# Altium PCB SONDE_2.PcbDoc (part 9 of 10) (continued)
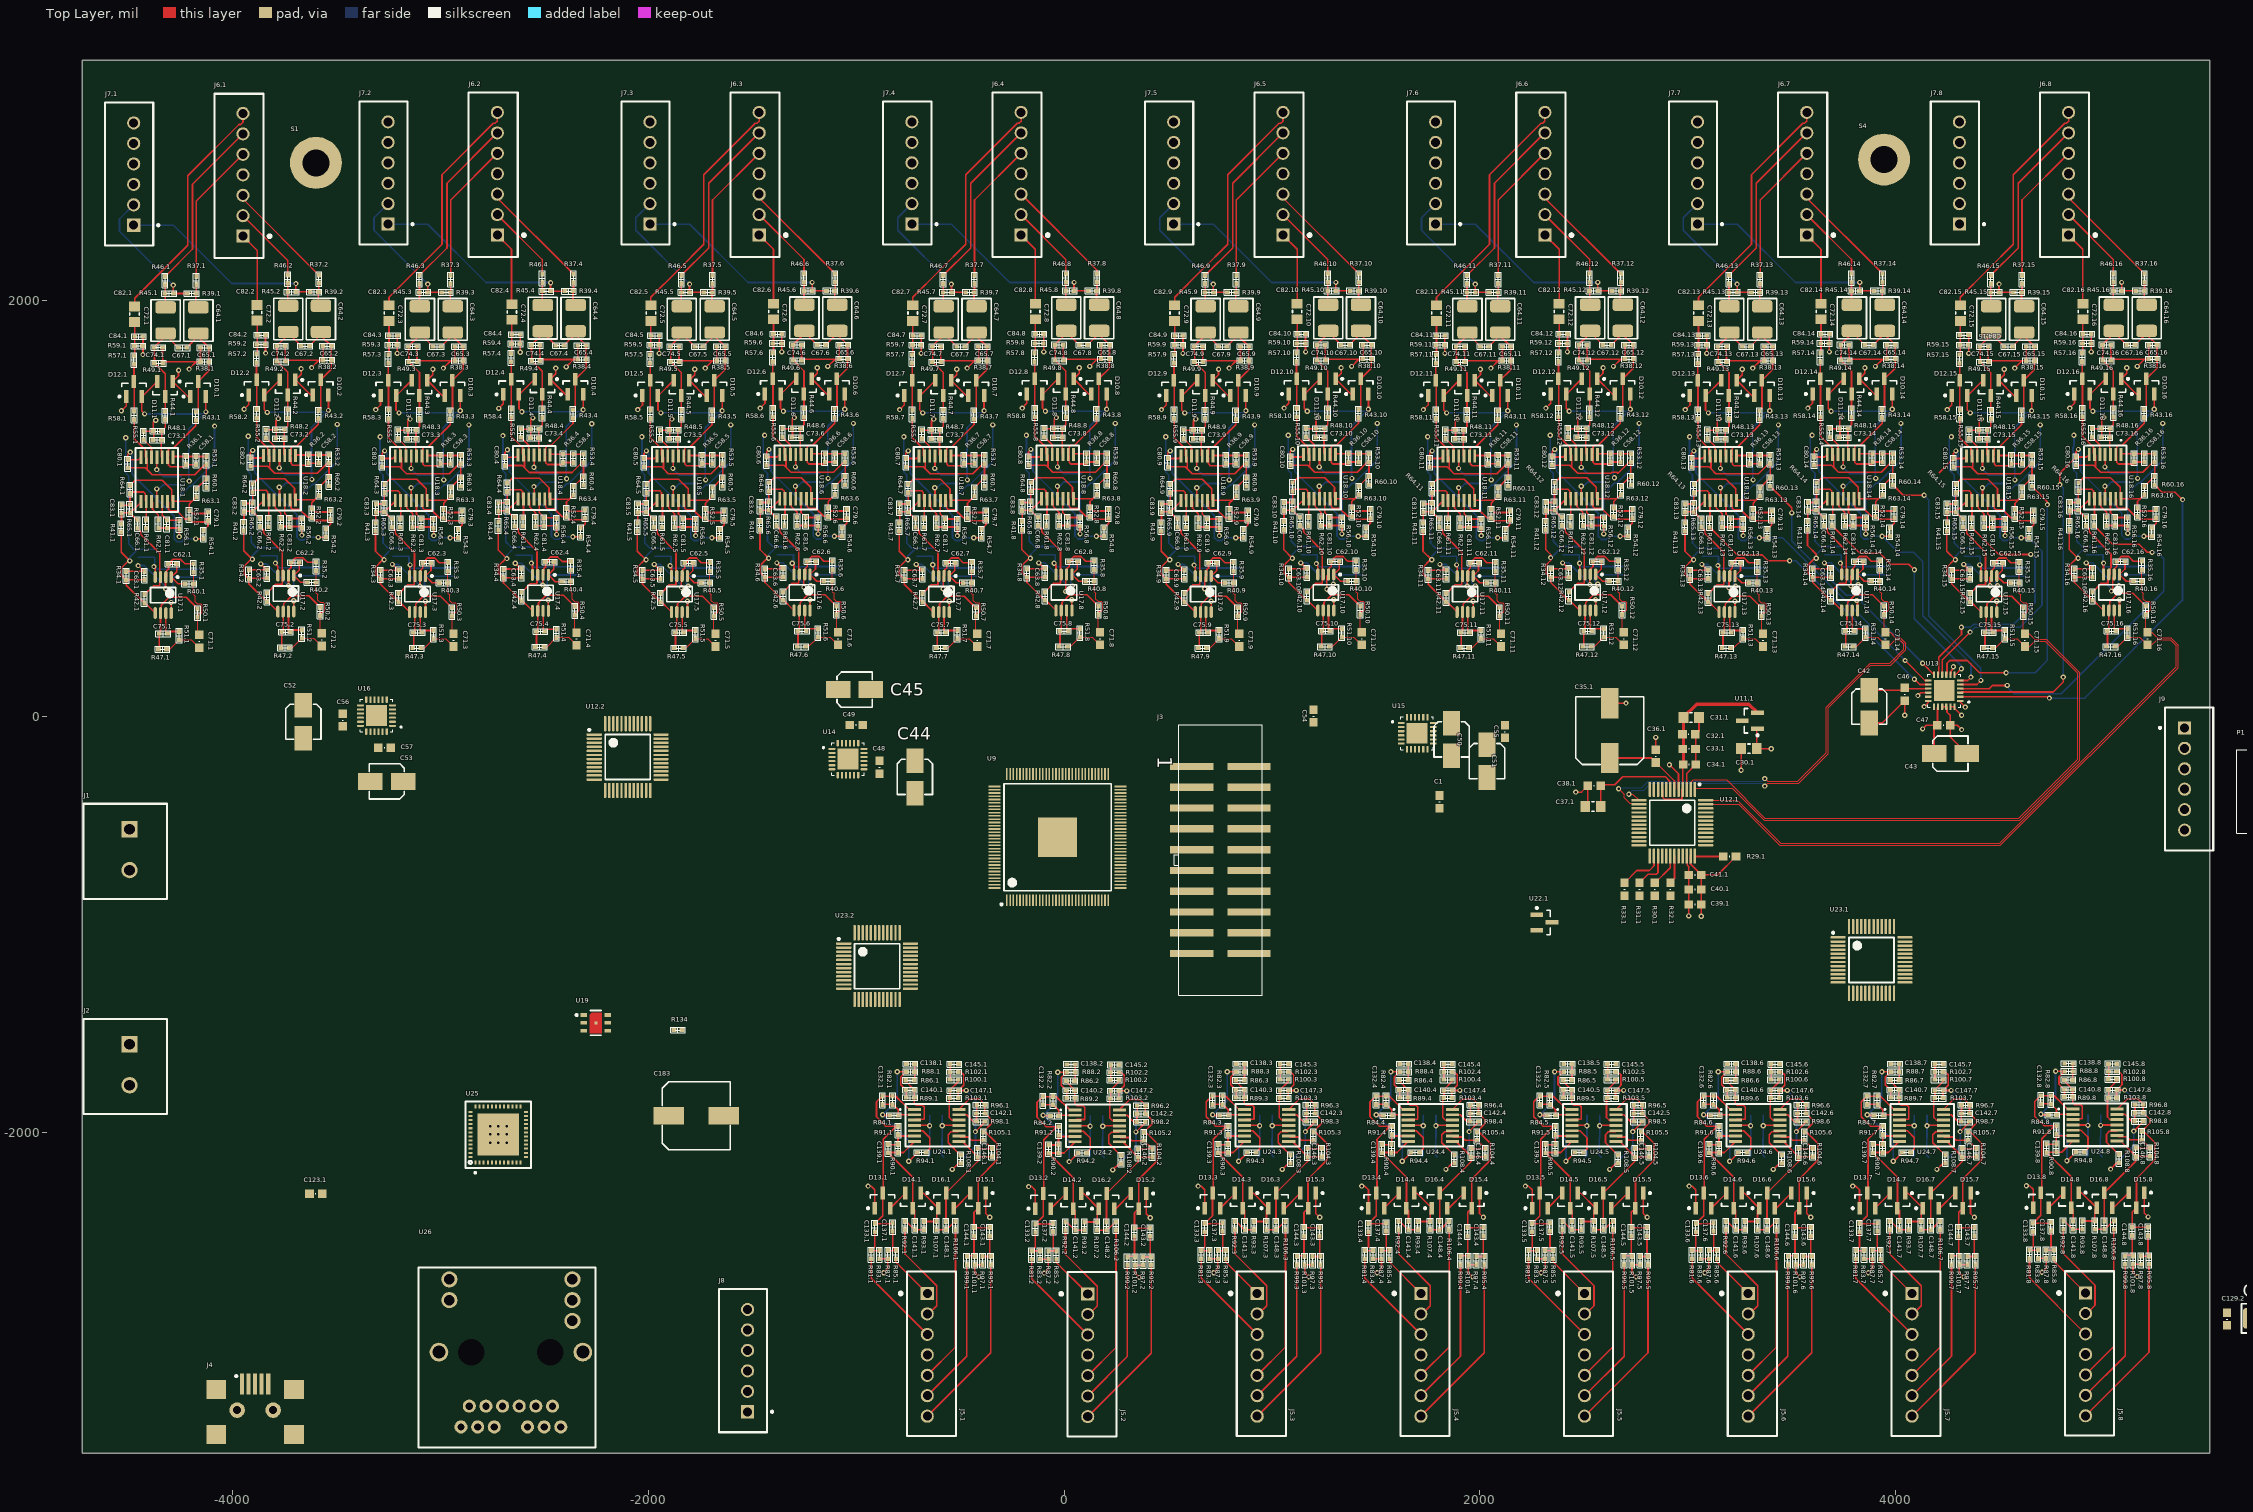
[diagram p0: Top Layer view]
## Nets (pads, with @x,y where several pads share a name; then routed paths per layer and width w, separated by ;. In a path a pad name is that pad's centre, name@x,y a point inside that pad or via, vN(x,y) a via of type N, cw(c..) or ccw(c..) an arc to the next point about the centre after c; other vN are vias at no path point) (continued)
NetD12.1_3: D12.1.3 R57.1.1 R58.1.2 | length 227.5
  Top Layer w8: R57.1.1@-4474.84,1696.35 D12.1.3@-4474.84,1612.45 -4473.78,1611.39 R58.1.2@-4473.78,1469.3
NetD12.2_3: D12.2.3 R57.2.1 R58.2.2 | length 227.5
  Top Layer w8: R57.2.1@-3885.17,1703.83 D12.2.3@-3885.17,1619.93 -3884.11,1618.86 R58.2.2@-3884.11,1476.78
NetD12.3_3: D12.3.3 R57.3.1 R58.3.2 | length 227.5
  Top Layer w8: R57.3.1@-3251.26,1701.49 D12.3.3@-3251.26,1617.59 -3250.2,1616.53 R58.3.2@-3250.2,1474.44
NetD12.4_3: D12.4.3 R57.4.1 R58.4.2 | length 227.5
  Top Layer w8: R57.4.1@-2660.23,1707.08 D12.4.3@-2660.23,1623.18 -2659.17,1622.12 R58.4.2@-2659.17,1480.03
NetD12.5_3: D12.5.3 R57.5.1 R58.5.2 | length 227.5
  Top Layer w8: R57.5.1@-1991.42,1701.49 D12.5.3@-1991.42,1617.59 -1990.35,1616.53 R58.5.2@-1990.35,1474.44
NetD12.6_3: D12.6.3 R57.6.1 R58.6.2 | length 227.5
  Top Layer w8: R57.6.1@-1401.75,1708.96 D12.6.3@-1401.75,1625.07 -1400.68,1624 R58.6.2@-1400.68,1481.92
NetD12.7_3: D12.7.3 R57.7.1 R58.7.2 | length 227.5
  Top Layer w8: R57.7.1@-731.57,1701.49 D12.7.3@-731.57,1617.59 -730.51,1616.53 R58.7.2@-730.51,1474.44
NetD12.8_3: D12.8.3 R57.8.1 R58.8.2 | length 227.5
  Top Layer w8: R57.8.1@-141.9,1708.96 D12.8.3@-141.9,1625.07 -140.84,1624 R58.8.2@-140.84,1481.92
NetD12.9_3: D12.9.3 R57.9.1 R58.9.2 | length 227.5
  Top Layer w8: R57.9.1@528.27,1701.49 D12.9.3@528.27,1617.59 529.33,1616.53 R58.9.2@529.33,1474.44
NetD12.10_3: D12.10.3 R57.10.1 R58.10.2 | length 227.5
  Top Layer w8: R57.10.1@1117.94,1708.96 D12.10.3@1117.94,1625.07 1119,1624 R58.10.2@1119,1481.92
NetD12.11_3: D12.11.3 R57.11.1 R58.11.2 | length 227.5
  Top Layer w8: R57.11.1@1788.11,1701.49 D12.11.3@1788.11,1617.59 1789.17,1616.53 R58.11.2@1789.17,1474.44
NetD12.12_3: D12.12.3 R57.12.1 R58.12.2 | length 227.5
  Top Layer w8: R57.12.1@2377.78,1708.96 D12.12.3@2377.78,1625.07 2378.85,1624 R58.12.2@2378.85,1481.92
NetD12.13_3: D12.13.3 R57.13.1 R58.13.2 | length 227.5
  Top Layer w8: R57.13.1@3047.95,1701.49 D12.13.3@3047.95,1617.59 3049.02,1616.53 R58.13.2@3049.02,1474.44
NetD12.14_3: D12.14.3 R57.14.1 R58.14.2 | length 227.5
  Top Layer w8: R57.14.1@3637.62,1708.96 D12.14.3@3637.62,1625.07 3638.69,1624 R58.14.2@3638.69,1481.92
NetD12.15_3: D12.15.3 R57.15.1 R58.15.2 | length 227.5
  Top Layer w8: R57.15.1@4307.8,1701.49 D12.15.3@4307.8,1617.59 4308.86,1616.53 R58.15.2@4308.86,1474.44
NetD12.16_3: D12.16.3 R57.16.1 R58.16.2 | length 227.5
  Top Layer w8: R57.16.1@4897.47,1708.96 D12.16.3@4897.47,1625.07 4898.53,1624 R58.16.2@4898.53,1481.92
NetD19_A: D19.A D20.A R135.1
NetD19_K: D19.K D20.K Q2.D
NetD21_A: D21.A D22.A R136.1
NetD21_K: D21.K D22.K Q3.D
NetD23_A: D23.A D24.A R137.1
NetD23_K: D23.K D24.K Q4.D
NetJ2_2: J2.2 R4.1
NetJ4_1: J4.1 L3.2
NetJ4_4: J4.4 R28.1
NetJ6.1_2: J6.1.2 R46.2.1 | length 373.8
  Top Layer w8: J6.1.2@-3950.41,2409.57 -3735.17,2194.33 R46.2.1@-3735.17,2124.88
NetJ6.1_3: J6.1.3 R37.2.1 | length 534.4
  Top Layer w8: J6.1.3@-3950.41,2508 -3950.41,2490.12 R37.2.1@-3585.17,2124.88
NetJ6.1_5: J6.1.5 R37.1.1 | length 680.4
  Top Layer w8: R37.1.1@-4174.84,2117.4 -4174.84,2480.41 J6.1.5@-3950.41,2704.85
NetJ6.1_6: J6.1.6 R46.1.1 | length 841
  Top Layer w8: R46.1.1@-4324.84,2117.4 -4192.84,2249.4 -4192.84,2560.84 J6.1.6@-3950.41,2803.27
NetJ6.2_2: J6.2.2 R46.4.1 | length 373.8
  Top Layer w8: J6.2.2@-2726.83,2414.71 -2511.59,2199.47 ; R46.4.1@-2510.23,2128.13 -2510.23,2197.59
NetJ6.2_3: J6.2.3 R37.4.1 | length 534.4
  Top Layer w8: J6.2.3@-2726.83,2513.13 -2726.83,2495.26 R37.4.1@-2361.59,2130.02
NetJ6.2_5: J6.2.5 R37.3.1 | length 680.4
  Top Layer w8: R37.3.1@-2951.26,2122.54 -2951.26,2485.55 J6.2.5@-2726.83,2709.99
NetJ6.2_6: J6.2.6 R46.3.1 | length 841
  Top Layer w8: R46.3.1@-3101.26,2122.54 -2969.26,2254.54 -2969.26,2565.98 J6.2.6@-2726.83,2808.41
NetJ6.3_2: J6.3.2 R46.6.1 | length 373.8
  Top Layer w8: J6.3.2@-1466.98,2414.71 -1251.75,2199.47 R46.6.1@-1251.75,2130.02
NetJ6.3_3: J6.3.3 R37.6.1 | length 534.4
  Top Layer w8: J6.3.3@-1466.98,2513.13 -1466.98,2495.26 R37.6.1@-1101.75,2130.02
NetJ6.3_5: J6.3.5 R37.5.1 | length 680.4
  Top Layer w8: R37.5.1@-1691.42,2122.54 -1691.42,2485.55 J6.3.5@-1466.98,2709.99
NetJ6.3_6: J6.3.6 R46.5.1 | length 841
  Top Layer w8: R46.5.1@-1841.42,2122.54 -1709.42,2254.54 -1709.42,2565.98 J6.3.6@-1466.98,2808.41
NetJ6.4_2: J6.4.2 R46.8.1 | length 373.8
  Top Layer w8: J6.4.2@-207.14,2414.71 8.1,2199.47 R46.8.1@8.1,2130.02
NetJ6.4_3: J6.4.3 R37.8.1 | length 552.3
  Top Layer w8: J6.4.3@-207.14,2495.26 J6.4.3@-207.14,2513.13 158.1,2147.9 R37.8.1@158.1,2130.02
NetJ6.4_5: J6.4.5 R37.7.1 | length 680.4
  Top Layer w8: R37.7.1@-431.57,2122.54 -431.57,2485.55 J6.4.5@-207.14,2709.99
NetJ6.4_6: J6.4.6 R46.7.1 | length 841
  Top Layer w8: R46.7.1@-581.57,2122.54 -449.57,2254.54 -449.57,2565.98 J6.4.6@-207.14,2808.41
NetJ6.5_2: J6.5.2 R46.10.1 | length 373.8
  Top Layer w8: J6.5.2@1052.7,2414.71 1267.94,2199.47 R46.10.1@1267.94,2130.02
NetJ6.5_3: J6.5.3 R37.10.1 | length 534.4
  Top Layer w8: J6.5.3@1052.7,2513.13 1052.7,2495.26 R37.10.1@1417.94,2130.02
NetJ6.5_5: J6.5.5 R37.9.1 | length 680.4
  Top Layer w8: R37.9.1@828.27,2122.54 828.27,2485.55 J6.5.5@1052.7,2709.99
NetJ6.5_6: J6.5.6 R46.9.1 | length 841
  Top Layer w8: R46.9.1@678.27,2122.54 810.27,2254.54 810.27,2565.98 J6.5.6@1052.7,2808.41
NetJ6.6_2: J6.6.2 R46.12.1 | length 373.8
  Top Layer w8: J6.6.2@2312.54,2414.71 2527.78,2199.47 R46.12.1@2527.78,2130.02
NetJ6.6_3: J6.6.3 R37.12.1 | length 534.4
  Top Layer w8: J6.6.3@2312.54,2513.13 2312.54,2495.26 R37.12.1@2677.78,2130.02
NetJ6.6_5: J6.6.5 R37.11.1 | length 680.4
  Top Layer w8: R37.11.1@2088.11,2122.54 2088.11,2485.55 J6.6.5@2312.54,2709.99
NetJ6.6_6: J6.6.6 R46.11.1 | length 841
  Top Layer w8: R46.11.1@1938.11,2122.54 2070.11,2254.54 2070.11,2565.98 J6.6.6@2312.54,2808.41
NetJ6.7_2: J6.7.2 R46.14.1 | length 373.8
  Top Layer w8: J6.7.2@3572.39,2414.71 3787.62,2199.47 R46.14.1@3787.62,2130.02
NetJ6.7_3: J6.7.3 R37.14.1 | length 534.4
  Top Layer w8: J6.7.3@3572.39,2513.13 3572.39,2495.26 R37.14.1@3937.62,2130.02
NetJ6.7_5: J6.7.5 R37.13.1 | length 680.4
  Top Layer w8: R37.13.1@3347.95,2122.54 3347.95,2485.55 J6.7.5@3572.39,2709.99
NetJ6.7_6: J6.7.6 R46.13.1 | length 841
  Top Layer w8: R46.13.1@3197.95,2122.54 3329.95,2254.54 3329.95,2565.98 J6.7.6@3572.39,2808.41
NetJ6.8_2: J6.8.2 R46.16.1 | length 373.8
  Top Layer w8: J6.8.2@4832.23,2414.71 5047.47,2199.47 R46.16.1@5047.47,2130.02
NetJ6.8_3: J6.8.3 R37.16.1 | length 534.4
  Top Layer w8: J6.8.3@4832.23,2513.13 4832.23,2495.26 R37.16.1@5197.47,2130.02
NetJ6.8_5: J6.8.5 R37.15.1 | length 680.4
  Top Layer w8: R37.15.1@4607.8,2122.54 4607.8,2485.55 J6.8.5@4832.23,2709.99
NetJ6.8_6: J6.8.6 R46.15.1 | length 841
  Top Layer w8: R46.15.1@4457.8,2122.54 4589.8,2254.54 4589.8,2565.98 J6.8.6@4832.23,2808.41
NetL4_1: L4.1 U19.3
NetP1_5: P1.5
NetQ1_G: Q1.G U25.43
NetQ2_G: Q2.G R138.2
NetQ3_G: Q3.G R139.2
NetQ4_G: Q4.G R140.2
NetR1_1: R1.1 R3.1 U1.7 U2.3
NetR1_2: R1.2 U9.125
NetR2_1: R2.1 R3.2 U1.3
NetR5_1: R5.1 U3.7
NetR7_2: R7.2 R9.1 U3.5
NetR11_1: R11.1 R14.1 U8.2
NetR12_2: R12.2 R16.1 U8.13
NetR15_1: R15.1 U8.1
NetR17_2: R17.2 U8.14
NetR19_1: R19.1 U9.93
NetR23_2: R23.2 U9.64
NetR24_2: R24.2 U9.66
NetR25_2: R25.2 U9.10
NetR26_2: R26.2 U9.12
NetR27_2: R27.2 U9.48
NetR28_2: R28.2 U9.43
NetR29.1_2: R29.1.2 R29.2.2 TP10.1 TP10.2 U9.96 U12.1.36 U12.2.36 | length 137.6
  Top Layer w8: U12.1.36@3034.22,-670.83 3036.13,-672.73 R29.1.2@3171.05,-672.73
NetR30.1_1: R30.1.1 U12.1.30 | length 161
  Top Layer w8: R30.1.1@2841.26,-800 2842.62,-800 2916.11,-726.5 U12.1.30@2916.11,-670.83
NetR30.2_1: R30.2.1 U12.2.30
NetR31.1_1: R31.1.1 U12.1.27 | length 203.1
  Top Layer w8: R31.1.1@2780,-800 R31.1.1@2767.22,-800 2808.22,-759 2849,-759 2857.06,-750.94 U12.1.27@2857.06,-670.83
NetR31.2_1: R31.2.1 U12.2.27
NetR32.1_1: R32.1.1 U12.1.31 | length 137.3
  Top Layer w8: R32.1.1@2916.11,-800 2935.8,-780.31 U12.1.31@2935.8,-670.83
NetR32.2_1: R32.2.1 U12.2.31
NetR33.1_1: R33.1.1 U12.1.26 | length 223.3
  Top Layer w8: R33.1.1@2695.24,-800 2755.24,-740 2815.43,-740 2837.37,-718.06 U12.1.26@2837.37,-670.83
NetR33.2_1: R33.2.1 U12.2.26
NetR55.1_2: R55.1.2 U18.1.5 | length 101
  Top Layer w8: R55.1.2@-4428.55,1333.09 -4390.14,1294.68 U18.1.5@-4390.14,1247.96
NetR55.2_2: R55.2.2 U18.2.5 | length 101
  Top Layer w8: R55.2.2@-3838.88,1340.57 -3800.47,1302.16 U18.2.5@-3800.47,1255.43
NetR55.3_2: R55.3.2 U18.3.5 | length 101
  Top Layer w8: R55.3.2@-3204.97,1338.23 -3166.56,1299.82 U18.3.5@-3166.56,1253.09
NetR55.4_2: R55.4.2 U18.4.5 | length 101
  Top Layer w8: R55.4.2@-2613.94,1343.82 -2575.53,1305.41 U18.4.5@-2575.53,1258.68
NetR55.5_2: R55.5.2 U18.5.5 | length 101
  Top Layer w8: R55.5.2@-1945.13,1338.23 -1906.72,1299.82 U18.5.5@-1906.72,1253.09
NetR55.6_2: R55.6.2 U18.6.5 | length 101
  Top Layer w8: R55.6.2@-1355.46,1345.71 -1317.05,1307.3 U18.6.5@-1317.05,1260.57
NetR55.7_2: R55.7.2 U18.7.5 | length 101
  Top Layer w8: R55.7.2@-685.29,1338.23 -646.88,1299.82 U18.7.5@-646.88,1253.09
NetR55.8_2: R55.8.2 U18.8.5 | length 101
  Top Layer w8: R55.8.2@-95.62,1345.71 -57.21,1307.3 U18.8.5@-57.21,1260.57
NetR55.9_2: R55.9.2 U18.9.5 | length 101
  Top Layer w8: R55.9.2@574.56,1338.23 612.96,1299.82 U18.9.5@612.96,1253.09
NetR55.10_2: R55.10.2 U18.10.5 | length 101
  Top Layer w8: R55.10.2@1164.23,1345.71 1202.64,1307.3 U18.10.5@1202.64,1260.57
NetR55.11_2: R55.11.2 U18.11.5 | length 101
  Top Layer w8: R55.11.2@1834.4,1338.23 1872.81,1299.82 U18.11.5@1872.81,1253.09
NetR55.12_2: R55.12.2 U18.12.5 | length 101
  Top Layer w8: R55.12.2@2424.07,1345.71 2462.48,1307.3 U18.12.5@2462.48,1260.57
NetR55.13_2: R55.13.2 U18.13.5 | length 101
  Top Layer w8: R55.13.2@3094.24,1338.23 3132.65,1299.82 U18.13.5@3132.65,1253.09
NetR55.14_2: R55.14.2 U18.14.5 | length 101
  Top Layer w8: R55.14.2@3683.91,1345.71 3722.32,1307.3 U18.14.5@3722.32,1260.57
NetR55.15_2: R55.15.2 U18.15.5 | length 101
  Top Layer w8: R55.15.2@4354.08,1338.23 4392.49,1299.82 U18.15.5@4392.49,1253.09
NetR55.16_2: R55.16.2 U18.16.5 | length 101
  Top Layer w8: R55.16.2@4943.75,1345.71 4982.16,1307.3 U18.16.5@4982.16,1260.57
NetR60.1_1: R60.1.1 U16.12
NetR60.2_1: R60.2.1 U16.5
NetR60.3_1: R60.3.1 U16.9
NetR60.4_1: R60.4.1 U16.2
NetR60.5_1: R60.5.1 U14.12
NetR60.6_1: R60.6.1 U14.5
NetR60.7_1: R60.7.1 U14.9
NetR60.8_1: R60.8.1 U14.2
NetR60.9_1: R60.9.1 U15.12
NetR60.10_1: R60.10.1 U15.5
NetR60.11_1: R60.11.1 U15.9
NetR60.12_1: R60.12.1 U15.2
NetR60.13_1: R60.13.1 U13.12 | length 1270
  Top Layer w8: R60.13.1@3396.24,1108.17 3500,1004.41 v1(3500,980) ; v1(4129.84,256.68) U13.12@4184.58,201.94
  Bottom Layer w8: v1(3500,980) 3500,844.88 3761.54,583.33 3825.14,583.33 3837.44,571.03 3837.44,549.08 v1(4129.84,256.68)
NetR60.14_1: R60.14.1 U13.5 | length 1283.9
  Top Layer w8: R60.14.1@3985.91,1115.65 4036.81,1064.75 v1(4136.79,1064.75) ; U13.5@4310.76,154.5 4391.65,154.5 4410,172.85 v1(4410,174.18)
  Bottom Layer w8: v1(4136.79,1064.75) 4160,1041.54 4160,482.19 4410,232.19 v1(4410,174.18)
NetR60.15_1: R60.15.1 U13.9 | length 1465.8
  Top Layer w8: U13.9@4247.2,201.94 U13.9@4243.64,201.94 4247.2,205.5 4247.2,257.2 4260,270 4345.08,270 4403.75,211.33 v1(4530.91,211.33) ; R60.15.1@4656.08,1108.17 4730,1034.25 v1(4730,1020)
  Bottom Layer w8: v1(4530.91,211.33) 4671.33,211.33 4730,270 v1(4730,1020)
NetR60.16_1: R60.16.1 U13.2 | length 1919.3
  Top Layer w8: U13.2@4310.76,95.44 4734.56,95.44 4740,90 v1(4740,89) ; R60.16.1@5245.75,1115.65 5281.4,1080 5343.79,1080 v1(5380,1043.79)
  Bottom Layer w8: v1(4740,89) 4911.13,89 4912.13,90 4911.06,91.06 5379.1,559.1 5380,558.2 v1(5380,1043.79)
NetR61.1_2: R61.1.2 U16.14
NetR61.2_2: R61.2.2 U16.7
NetR61.3_2: R61.3.2 U16.11
NetR61.4_2: R61.4.2 U16.4
NetR61.5_2: R61.5.2 U14.14
NetR61.6_2: R61.6.2 U14.7
NetR61.7_2: R61.7.2 U14.11
NetR61.8_2: R61.8.2 U14.4
NetR61.9_2: R61.9.2 U15.14
NetR61.10_2: R61.10.2 U15.7
NetR61.11_2: R61.11.2 U15.11
NetR61.12_2: R61.12.2 U15.4
NetR61.13_2: R61.13.2 U13.14 | length 1365.2
  Top Layer w8: R61.13.2@3105.24,911.17 3238.71,777.7 3357.95,777.7 3385.65,750 v1(3490,750) ; v1@4089.76,180 v1(4090,180) 4115.5,154.5 U13.14@4156.83,154.5
  Bottom Layer w8: v1(3490,750) 3520,750 v1(4090,180)
NetR61.14_2: R61.14.2 U13.7 | length 1098
  Top Layer w8: R61.14.2@3694.91,918.65 3828.38,785.18 3924.49,785.18 3975.95,733.72 4063.04,733.72 v1(4090,706.76) ; U13.7@4283.01,201.94 4288.03,201.94 v1(4316.1,230)
  Bottom Layer w8: v1(4090,706.76) 4090,470.08 4316.1,243.99 v1(4316.1,230)
NetR61.15_2: R61.15.2 U13.11 | length 1257
  Top Layer w8: U13.11@4204.27,201.94 4207.83,205.5 4207.83,286.23 4316.41,394.8 v1(4316.41,430) ; R61.15.2@4365.08,911.17 4496.25,780 v1(4650,780)
  Bottom Layer w8: v1(4316.41,430) 4360.09,430 4375.09,445 4567.8,445 4670,547.2 4670,760 v1(4650,780)
NetR61.16_2: R61.16.2 U13.4 | length 1769.1
  Top Layer w8: U13.4@4310.76,134.81 4450,134.81 4465.19,150 v1(4537.08,150) ; R61.16.2@4954.75,918.65 5043.4,830 5171,830 5211,790 v1(5233.75,790)
  Bottom Layer w8: v1(4537.08,150) 4537.08,142.92 4570,110 4730.3,110 4731.3,111 4754,111 4755,110 4796.8,110 5290,603.2 5290,760 5260,790 v1(5233.75,790)
NetR62.1_2: R62.1.2 U18.1.10 | length 102.5
  Top Layer w8: U18.1.10@-4390.14,1035.36 -4385.44,1030.66 -4385.44,998.06 -4357.55,970.17 R62.1.2@-4357.55,946.4
NetR62.2_2: R62.2.2 U18.2.10 | length 102.5
  Top Layer w8: U18.2.10@-3800.47,1042.83 -3795.77,1038.13 -3795.77,1005.54 -3767.88,977.65 R62.2.2@-3767.88,953.88
NetR62.3_2: R62.3.2 U18.3.10 | length 102.5
  Top Layer w8: U18.3.10@-3166.56,1040.49 -3161.86,1035.79 -3161.86,1003.2 -3133.97,975.31 R62.3.2@-3133.97,951.54
NetR62.4_2: R62.4.2 U18.4.10 | length 102.5
  Top Layer w8: U18.4.10@-2575.53,1046.08 -2570.83,1041.38 -2570.83,1008.79 -2542.94,980.9 R62.4.2@-2542.94,957.13
NetR62.5_2: R62.5.2 U18.5.10 | length 102.5
  Top Layer w8: U18.5.10@-1906.72,1040.49 -1902.02,1035.79 -1902.02,1003.2 -1874.13,975.31 R62.5.2@-1874.13,951.54
NetR62.6_2: R62.6.2 U18.6.10 | length 102.5
  Top Layer w8: U18.6.10@-1317.05,1047.97 -1312.35,1043.27 -1312.35,1010.68 -1284.46,982.79 R62.6.2@-1284.46,959.02
NetR62.7_2: R62.7.2 U18.7.10 | length 102.5
  Top Layer w8: U18.7.10@-646.88,1040.49 -642.18,1035.79 -642.18,1003.2 -614.29,975.31 R62.7.2@-614.29,951.54
NetR62.8_2: R62.8.2 U18.8.10 | length 102.5
  Top Layer w8: U18.8.10@-57.21,1047.97 -52.51,1043.27 -52.51,1010.68 -24.62,982.79 R62.8.2@-24.62,959.02
NetR62.9_2: R62.9.2 U18.9.10 | length 102.5
  Top Layer w8: U18.9.10@612.96,1040.49 617.67,1035.79 617.67,1003.2 645.56,975.31 R62.9.2@645.56,951.54
NetR62.10_2: R62.10.2 U18.10.10 | length 102.5
  Top Layer w8: U18.10.10@1202.64,1047.97 1207.34,1043.27 1207.34,1010.68 1235.23,982.79 R62.10.2@1235.23,959.02
NetR62.11_2: R62.11.2 U18.11.10 | length 102.5
  Top Layer w8: U18.11.10@1872.81,1040.49 1877.51,1035.79 1877.51,1003.2 1905.4,975.31 R62.11.2@1905.4,951.54
NetR62.12_2: R62.12.2 U18.12.10 | length 102.5
  Top Layer w8: U18.12.10@2462.48,1047.97 2467.18,1043.27 2467.18,1010.68 2495.07,982.79 R62.12.2@2495.07,959.02
NetR62.13_2: R62.13.2 U18.13.10 | length 102.5
  Top Layer w8: U18.13.10@3132.65,1040.49 3137.35,1035.79 3137.35,1003.2 3165.24,975.31 R62.13.2@3165.24,951.54
NetR62.14_2: R62.14.2 U18.14.10 | length 102.5
  Top Layer w8: U18.14.10@3722.32,1047.97 3727.02,1043.27 3727.02,1010.68 3754.91,982.79 R62.14.2@3754.91,959.02
NetR62.15_2: R62.15.2 U18.15.10 | length 102.5
  Top Layer w8: U18.15.10@4392.49,1040.49 4397.19,1035.79 4397.19,1003.2 4425.08,975.31 R62.15.2@4425.08,951.54
NetR62.16_2: R62.16.2 U18.16.10 | length 102.5
  Top Layer w8: U18.16.10@4982.16,1047.97 4986.86,1043.27 4986.86,1010.68 5014.75,982.79 R62.16.2@5014.75,959.02
NetR66_1: R66.1 U20.7
NetR67_2: R67.2 R69.1 U19.1
NetR70_2: R70.2 R73.1 U20.5
NetR74_2: R74.2 R75.1 U21.4
NetR77.1_2: R77.1.2 U23.1.6
NetR77.2_2: R77.2.2 U23.2.6
NetR78.1_2: R78.1.2 U23.1.7
NetR78.2_2: R78.2.2 U23.2.7
NetR79.1_2: R79.1.2 U23.1.9
NetR79.2_2: R79.2.2 U23.2.9
NetR80.1_2: R80.1.2 U23.1.8
NetR80.2_2: R80.2.2 U23.2.8
NetR94.1_1: R94.1.1 U24.1.5 | length 164.8
  Top Layer w8: U24.1.5@-719.31,-1992.05 -680.16,-1992.05 -647.08,-2025.13 -647.08,-2078.11 R94.1.1@-665.39,-2096.43
NetR94.2_1: R94.2.1 U24.2.5 | length 164.8
  Top Layer w8: U24.2.5@52.76,-1994.13 91.92,-1994.13 125,-2027.22 125,-2080.2 R94.2.1@106.69,-2098.51
NetR94.3_1: R94.3.1 U24.3.5 | length 164.8
  Top Layer w8: U24.3.5@867.94,-1992.05 907.09,-1992.05 940.18,-2025.13 940.18,-2078.11 R94.3.1@921.86,-2096.43
NetR94.4_1: R94.4.1 U24.4.5 | length 164.8
  Top Layer w8: U24.4.5@1655.34,-1992.05 1694.49,-1992.05 1727.58,-2025.13 1727.58,-2078.11 R94.4.1@1709.26,-2096.43
NetR94.5_1: R94.5.1 U24.5.5 | length 164.8
  Top Layer w8: U24.5.5@2442.74,-1992.05 2481.9,-1992.05 2514.98,-2025.13 2514.98,-2078.11 R94.5.1@2496.66,-2096.43
NetR94.6_1: R94.6.1 U24.6.5 | length 164.8
  Top Layer w8: U24.6.5@3230.14,-1992.05 3269.3,-1992.05 3302.38,-2025.13 3302.38,-2078.11 R94.6.1@3284.07,-2096.43
NetR94.7_1: R94.7.1 U24.7.5 | length 164.8
  Top Layer w8: U24.7.5@4017.55,-1992.05 4056.7,-1992.05 4089.78,-2025.13 4089.78,-2078.11 R94.7.1@4071.47,-2096.43
NetR94.8_1: R94.8.1 U24.8.5 | length 164.8
  Top Layer w8: U24.8.5@4852.76,-1989.97 4891.92,-1989.97 4925,-2023.05 4925,-2076.03 R94.8.1@4906.69,-2094.35
NetR108.1_1: R108.1.1 U24.1.10 | length 183.3
  Top Layer w8: U24.1.10@-506.72,-1992.05 -511.42,-1996.75 -544.01,-1996.75 -558.08,-2010.82 -558.08,-2050.05 -499.36,-2108.78 R108.1.1@-497.51,-2108.78
NetR108.2_1: R108.2.1 U24.2.10 | length 183.3
  Top Layer w8: U24.2.10@265.36,-1994.13 260.66,-1998.83 228.07,-1998.83 214,-2012.9 214,-2052.14 272.72,-2110.86 R108.2.1@274.57,-2110.86
NetR108.3_1: R108.3.1 U24.3.10 | length 183.3
  Top Layer w8: U24.3.10@1080.54,-1992.05 1075.84,-1996.75 1043.24,-1996.75 1029.18,-2010.82 1029.18,-2050.05 1087.9,-2108.78 R108.3.1@1089.74,-2108.78
NetR108.4_1: R108.4.1 U24.4.10 | length 183.3
  Top Layer w8: U24.4.10@1867.94,-1992.05 1863.24,-1996.75 1830.64,-1996.75 1816.58,-2010.82 1816.58,-2050.05 1875.3,-2108.78 R108.4.1@1877.14,-2108.78
NetR108.5_1: R108.5.1 U24.5.10 | length 183.3
  Top Layer w8: U24.5.10@2655.34,-1992.05 2650.64,-1996.75 2618.05,-1996.75 2603.98,-2010.82 2603.98,-2050.05 2662.7,-2108.78 R108.5.1@2664.54,-2108.78
NetR108.6_1: R108.6.1 U24.6.10 | length 183.3
  Top Layer w8: U24.6.10@3442.74,-1992.05 3438.04,-1996.75 3405.45,-1996.75 3391.38,-2010.82 3391.38,-2050.05 3450.1,-2108.78 R108.6.1@3451.95,-2108.78
NetR108.7_1: R108.7.1 U24.7.10 | length 183.3
  Top Layer w8: U24.7.10@4230.14,-1992.05 4225.44,-1996.75 4192.85,-1996.75 4178.78,-2010.82 4178.78,-2050.05 4237.5,-2108.78 R108.7.1@4239.35,-2108.78
NetR108.8_1: R108.8.1 U24.8.10 | length 183.3
  Top Layer w8: U24.8.10@5065.36,-1989.97 5060.66,-1994.67 5028.07,-1994.67 5014,-2008.74 5014,-2047.97 5072.72,-2106.69 R108.8.1@5074.57,-2106.69
NetR114_2: R114.2 U25.35
NetR115_2: R115.2 U25.33
NetR116_2: R116.2 U25.32
NetR117_2: R117.2 U25.31
NetR119_2: R119.2 U25.28
NetR120_2: R120.2 U25.27
NetR122_1: R122.1 U26.16
NetR125_1: R125.1 U25.17 U26.15
NetR126_1: R126.1 U25.15 U26.17
NetR127_1: R127.1 U25.41
NetR128_2: R128.2 U25.48
NetR129_1: R129.1 U28.1
NetR132_1: R132.1 U28.5
NetR138_1: R138.1 U9.70
NetR139_1: R139.1 U9.71
NetR140_1: R140.1 U9.69
NetTP3_1: TP3.1 TP3.2
NetTP4_1: TP4.1 TP4.2
NetTP6_1: TP6.1 TP6.2 U9.95 U12.1.41 U12.2.41
NetU1_5: U1.5 U9.30
NetU9_20: U9.20
NetU9_21: U9.21
NetU9_57: U9.57
NetU9_58: U9.58
NetU9_59: U9.59
NetU9_61: U9.61
NetU9_68: U9.68
NetU9_72: U9.72
NetU9_74: U9.74
NetU9_85: U9.85
NetU9_86: U9.86
NetU9_94: U9.94 U23.1.19 U23.2.19
NetU9_97: U9.97
NetU9_98: U9.98
NetU9_99: U9.99
NetU9_100: U9.100
NetU23.1_11: U23.1.11
NetU23.1_13: U23.1.13
NetU23.1_14: U23.1.14
NetU23.2_11: U23.2.11
NetU23.2_13: U23.2.13
NetU23.2_14: U23.2.14
OSC_25MHZ: U25.46 U27.3
PHANTOM1.1: J7.1.1 R39.2.2 R45.2.1 | length 1005.4
  Top Layer w8: v1(-3695.8,2083.51) R45.2.1@-3695.8,2043.35 R39.2.2@-3626.85,2043.35
  Bottom Layer w8: J7.1.1@-4476,2363.85 -4284.94,2363.85 -4004.6,2083.51 v1(-3695.8,2083.51)
PHANTOM1.2: J7.2.1 R39.4.2 R45.4.1 | length 1314.2
  Top Layer w8: v1(-2470.86,2086.76) R45.4.1@-2470.86,2046.6 R39.4.2@-2401.91,2046.6
  Bottom Layer w8: J7.2.1@-3252.42,2368.99 -3061.36,2368.99 -2781.02,2088.65 v1@-2472.22,2088.65 ; -2779.66,2086.76 v1(-2470.86,2086.76)
PHANTOM1.3: J7.3.1 R39.6.2 R45.6.1 | length 1005.4
  Top Layer w8: v1(-1212.37,2088.65) R45.6.1@-1212.38,2048.49 R39.6.2@-1143.43,2048.49
  Bottom Layer w8: J7.3.1@-1992.58,2368.99 -1801.51,2368.99 -1521.17,2088.65 v1(-1212.37,2088.65)
PHANTOM1.4: J7.4.1 R39.8.2 R45.8.1 | length 1005.4
  Top Layer w8: v1(47.47,2088.65) R45.8.1@47.47,2048.49 R39.8.2@116.41,2048.49
  Bottom Layer w8: J7.4.1@-732.73,2368.99 -541.67,2368.99 -261.33,2088.65 v1(47.47,2088.65)
PHANTOM1.5: J7.5.1 R39.10.2 R45.10.1 | length 1005.4
  Top Layer w8: v1(1307.31,2088.65) R45.10.1@1307.31,2048.49 R39.10.2@1376.25,2048.49
  Bottom Layer w8: J7.5.1@527.11,2368.99 718.17,2368.99 998.51,2088.65 v1(1307.31,2088.65)
PHANTOM1.6: J7.6.1 R39.12.2 R45.12.1 | length 1005.4
  Top Layer w8: v1(2567.15,2088.65) 2567.15,2048.49 R39.12.2@2636.1,2048.49
  Bottom Layer w8: J7.6.1@1786.95,2368.99 1978.01,2368.99 2258.35,2088.65 v1(2567.15,2088.65)
PHANTOM1.7: J7.7.1 R39.14.2 R45.14.1 | length 1005.4
  Top Layer w8: v1(3827,2088.65) R45.14.1@3826.99,2048.49 R39.14.2@3895.94,2048.49
  Bottom Layer w8: J7.7.1@3046.79,2368.99 3237.86,2368.99 3518.2,2088.65 v1(3827,2088.65)
PHANTOM1.8: J7.8.1 R39.16.2 R45.16.1 | length 109.1
  Top Layer w8: v1(5086.84,2088.65) R45.16.1@5086.84,2048.49 R39.16.2@5155.78,2048.49
PHANTOM2.1: J7.1.2 R39.1.2 R45.1.1 | length 630.6
  Top Layer w8: v1(-4285.47,2076.03) R45.1.1@-4285.47,2035.87 R39.1.2@-4216.53,2035.87
  Bottom Layer w8: J7.1.2@-4476,2462.27 -4544,2394.27 -4544,2334.56 v1(-4285.47,2076.03)
PHANTOM2.2: J7.2.2 R39.3.2 R45.3.1 | length 630.6
  Top Layer w8: v1(-3061.89,2081.17) R45.3.1@-3061.89,2041.01 R39.3.2@-2992.94,2041.01
  Bottom Layer w8: J7.2.2@-3252.42,2467.41 -3320.42,2399.41 -3320.42,2339.7 v1(-3061.89,2081.17)
PHANTOM2.3: J7.3.2 R39.5.2 R45.5.1 | length 630.6
  Top Layer w8: v1(-1802.05,2081.17) R45.5.1@-1802.05,2041.01 R39.5.2@-1733.1,2041.01
  Bottom Layer w8: J7.3.2@-1992.58,2467.41 -2060.58,2399.41 -2060.58,2339.7 v1(-1802.05,2081.17)
PHANTOM2.4: J7.4.2 R39.7.2 R45.7.1 | length 630.6
  Top Layer w8: v1(-542.2,2081.17) R45.7.1@-542.2,2041.01 R39.7.2@-473.26,2041.01
  Bottom Layer w8: J7.4.2@-732.73,2467.41 -800.73,2399.41 -800.73,2339.7 v1(-542.2,2081.17)
PHANTOM2.5: J7.5.2 R39.9.2 R45.9.1 | length 630.6
  Top Layer w8: v1(717.64,2081.17) R45.9.1@717.64,2041.01 R39.9.2@786.58,2041.01
  Bottom Layer w8: J7.5.2@527.11,2467.41 459.11,2399.41 459.11,2339.7 v1(717.64,2081.17)
PHANTOM2.6: J7.6.2 R39.11.2 R45.11.1 | length 630.6
  Top Layer w8: v1(1977.48,2081.17) R45.11.1@1977.48,2041.01 R39.11.2@2046.43,2041.01
  Bottom Layer w8: J7.6.2@1786.95,2467.41 1718.95,2399.41 1718.95,2339.7 v1(1977.48,2081.17)
PHANTOM2.7: J7.7.2 R39.13.2 R45.13.1 | length 630.6
  Top Layer w8: v1(3237.32,2081.17) R45.13.1@3237.32,2041.01 R39.13.2@3306.27,2041.01
  Bottom Layer w8: J7.7.2@3046.79,2467.41 2978.79,2399.41 2978.79,2339.7 v1(3237.32,2081.17)
PHANTOM2.8: J7.8.2 R39.15.2 R45.15.1 | length 109.1
  Top Layer w8: v1(4497.17,2081.17) R45.15.1@4497.17,2041.01 R39.15.2@4566.11,2041.01
PHY_MDC: U9.122 U25.36
PHY_MDIO: U9.121 U25.37
PHY_RESET_N: D18.K U9.18
PHY_RX0: R112.2 R116.1 U9.116
PHY_RX1: R111.2 R117.1 U9.117
PHY_RX2: R110.2 R119.1 U9.118
PHY_RX3: R109.2 R120.1 U9.119
PHY_RX_CLK: R114.1 R123.1 U9.114
PHY_RX_DV: R115.1 U9.115
PHY_TX_CLK: U9.112 U25.24
PHY_TX_D0: U9.109 U25.19
PHY_TX_D1: U9.108 U25.20
PHY_TX_D3: U9.106 U25.22
PHY_TX_EN: U9.113 U25.25
PHY_TXD2: U9.107 U25.21
RESET_N: C151.+ D17.A D18.A R124.1 U25.42
SCLK: R24.1 TP8.1 TP8.2 U12.1.25 U12.2.25
TCK: J3.9 U9.128
TDI: J3.5 U9.2
TDO: J3.13 U9.1
TMS: J3.7 U9.127
TRD_1_N: U25.3 U26.10
TRD_1_P: U25.2 U26.11
TRD_2_N: U25.6 U26.5
TRD_2_P: U25.5 U26.4
TRD_3_N: U25.8 U26.2
TRD_3_P: U25.7 U26.3
TRD_4_N: U25.11 U26.9
TRD_4_P: U25.10 U26.8
USB_D_N: U9.47 U10.3
USB_D_P: U9.46 U10.1
USB_DA_N: J4.2 U10.4
USB_DA_P: J4.3 U10.6
V1.1: C80.1.2 R54.1.1 U16.13 U18.1.7 | length 766
  Top Layer w8: v1(-4493,1272.91) -4504.55,1261.36 C80.1.2@-4504.55,1236.4 -4452.88,1236.4 U18.1.7@-4441.33,1247.96 ; v1(-4178,854.91) -4141.88,854.91 R54.1.1@-4140.44,856.35
  Bottom Layer w8: v1(-4493,1272.91) -4483,1262.91 -4483,1166.21 -4280.55,963.76 -4280.55,856.09 -4266.5,842.03 -4245.43,842.03 -4232.55,854.91 v1(-4178,854.91)
V1.2: C80.2.2 R54.2.1 U16.6 U18.2.7 | length 766
  Top Layer w8: v1(-3903.33,1280.39) -3914.88,1268.83 C80.2.2@-3914.88,1243.88 -3863.2,1243.88 U18.2.7@-3851.65,1255.43 ; v1(-3588.33,862.39) -3552.21,862.39 R54.2.1@-3550.77,863.83
  Bottom Layer w8: v1(-3903.33,1280.39) -3893.33,1270.39 -3893.33,1173.69 -3690.88,971.24 -3690.88,863.57 -3676.82,849.51 -3655.76,849.51 -3642.88,862.39 v1(-3588.33,862.39)
V1.3: C80.3.2 R54.3.1 U16.10 U18.3.7 | length 766
  Top Layer w8: v1(-3269.42,1278.05) -3280.97,1266.5 C80.3.2@-3280.97,1241.54 -3229.3,1241.54 U18.3.7@-3217.74,1253.09 ; v1(-2954.42,860.05) -2918.3,860.05 R54.3.1@-2916.86,861.49
  Bottom Layer w8: v1(-3269.42,1278.05) -3259.42,1268.05 -3259.42,1171.35 -3056.97,968.9 -3056.97,861.23 -3042.91,847.17 -3021.85,847.17 -3008.97,860.05 v1(-2954.42,860.05)
V1.4: C80.4.2 R54.4.1 U16.3 U18.4.7 | length 766
  Top Layer w8: v1(-2678.39,1283.64) -2689.94,1272.09 C80.4.2@-2689.94,1247.13 -2638.26,1247.13 U18.4.7@-2626.71,1258.68 ; v1(-2363.39,865.64) -2327.27,865.64 R54.4.1@-2325.83,867.08
  Bottom Layer w8: v1(-2678.39,1283.64) -2668.39,1273.64 -2668.39,1176.94 -2465.94,974.49 -2465.94,866.82 -2451.88,852.76 -2430.82,852.76 -2417.94,865.64 v1(-2363.39,865.64)
V1.5: C80.5.2 R54.5.1 U14.13 U18.5.7 | length 766
  Top Layer w8: v1(-2009.58,1278.05) -2021.13,1266.5 C80.5.2@-2021.13,1241.54 -1969.45,1241.54 U18.5.7@-1957.9,1253.09 ; v1(-1694.58,860.05) -1658.46,860.05 R54.5.1@-1657.02,861.49
  Bottom Layer w8: v1(-2009.58,1278.05) -1999.58,1268.05 -1999.58,1171.35 -1797.13,968.9 -1797.13,861.23 -1783.07,847.17 -1762.01,847.17 -1749.13,860.05 v1(-1694.58,860.05)
V1.6: C80.6.2 R54.6.1 U14.6 U18.6.7 | length 766
  Top Layer w8: v1(-1419.9,1285.53) -1431.46,1273.97 C80.6.2@-1431.46,1249.02 -1379.78,1249.02 U18.6.7@-1368.23,1260.57 ; v1(-1104.9,867.53) -1068.78,867.53 R54.6.1@-1067.35,868.96
  Bottom Layer w8: v1(-1419.9,1285.53) -1409.9,1275.53 -1409.9,1178.82 -1207.46,976.38 -1207.46,868.71 -1193.4,854.65 -1172.34,854.65 -1159.46,867.53 v1(-1104.9,867.53)
V1.7: C80.7.2 R54.7.1 U14.10 U18.7.7 | length 766
  Top Layer w8: v1(-749.73,1278.05) -761.29,1266.5 C80.7.2@-761.29,1241.54 -709.61,1241.54 U18.7.7@-698.06,1253.09 ; v1(-434.73,860.05) -398.61,860.05 R54.7.1@-397.18,861.49
  Bottom Layer w8: v1(-749.73,1278.05) -739.73,1268.05 -739.73,1171.35 -537.29,968.9 -537.29,861.23 -523.23,847.17 -502.17,847.17 -489.29,860.05 v1(-434.73,860.05)
V1.8: C80.8.2 R54.8.1 U14.3 U18.8.7 | length 766
  Top Layer w8: v1(-160.06,1285.53) -171.62,1273.97 C80.8.2@-171.62,1249.02 -119.94,1249.02 U18.8.7@-108.39,1260.57 ; v1(154.94,867.53) 191.06,867.53 R54.8.1@192.5,868.96
  Bottom Layer w8: v1(-160.06,1285.53) -150.06,1275.53 -150.06,1178.82 52.38,976.38 52.38,868.71 66.44,854.65 87.51,854.65 100.38,867.53 v1(154.94,867.53)
V1.9: C80.9.2 R54.9.1 U15.13 U18.9.7 | length 766
  Top Layer w8: v1(510.11,1278.05) 498.56,1266.5 C80.9.2@498.56,1241.54 550.23,1241.54 U18.9.7@561.78,1253.09 ; v1(825.11,860.05) 861.23,860.05 R54.9.1@862.67,861.49
  Bottom Layer w8: v1(510.11,1278.05) 520.11,1268.05 520.11,1171.35 722.56,968.9 722.56,861.23 736.61,847.17 757.68,847.17 770.56,860.05 v1(825.11,860.05)
V1.10: C80.10.2 R54.10.1 U15.6 U18.10.7 | length 766
  Top Layer w8: v1(1099.78,1285.53) 1088.23,1273.97 C80.10.2@1088.23,1249.02 1139.9,1249.02 U18.10.7@1151.46,1260.57 ; v1(1414.78,867.53) 1450.9,867.53 R54.10.1@1452.34,868.96
  Bottom Layer w8: v1(1099.78,1285.53) 1109.78,1275.53 1109.78,1178.82 1312.23,976.38 1312.23,868.71 1326.29,854.65 1347.35,854.65 1360.23,867.53 v1(1414.78,867.53)